# Altium PCB Power_PCB_v1.0.PcbDoc
Units mm, origin at the board's own origin, x right, y up, seen from the top; angles counter-clockwise.
Board outline 175 x 86 mm, 4 copper layers (Top Layer, MidLayer1, MidLayer2, Bottom Layer), stack 1.71 mm thick; 110 components, 74 nets, 328 pads, 74 vias.
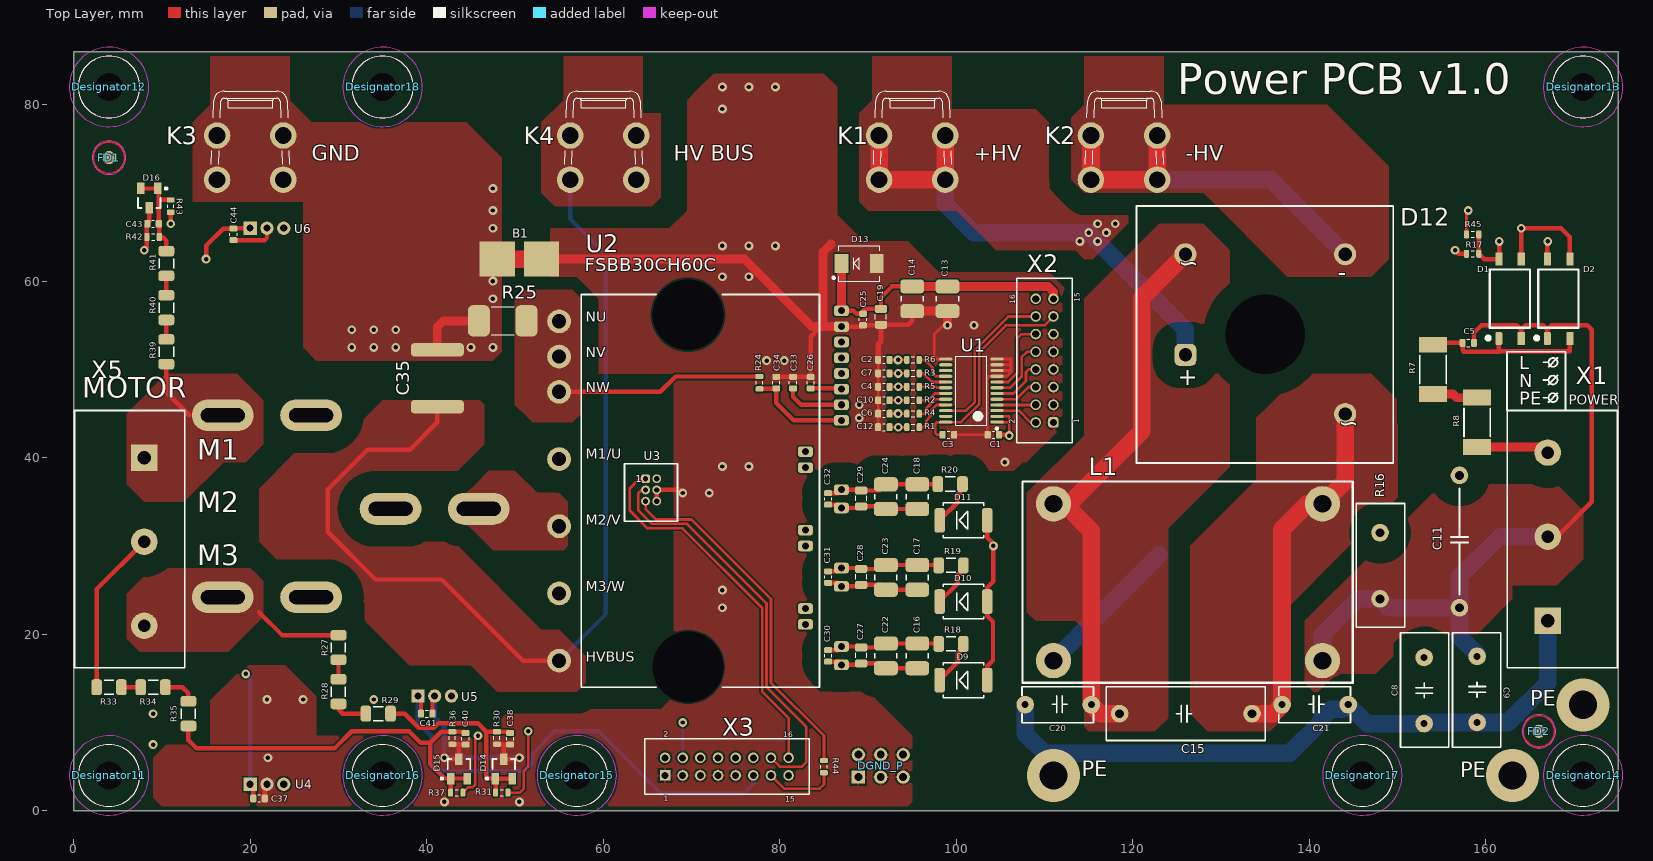
[diagram p0: Top Layer view]
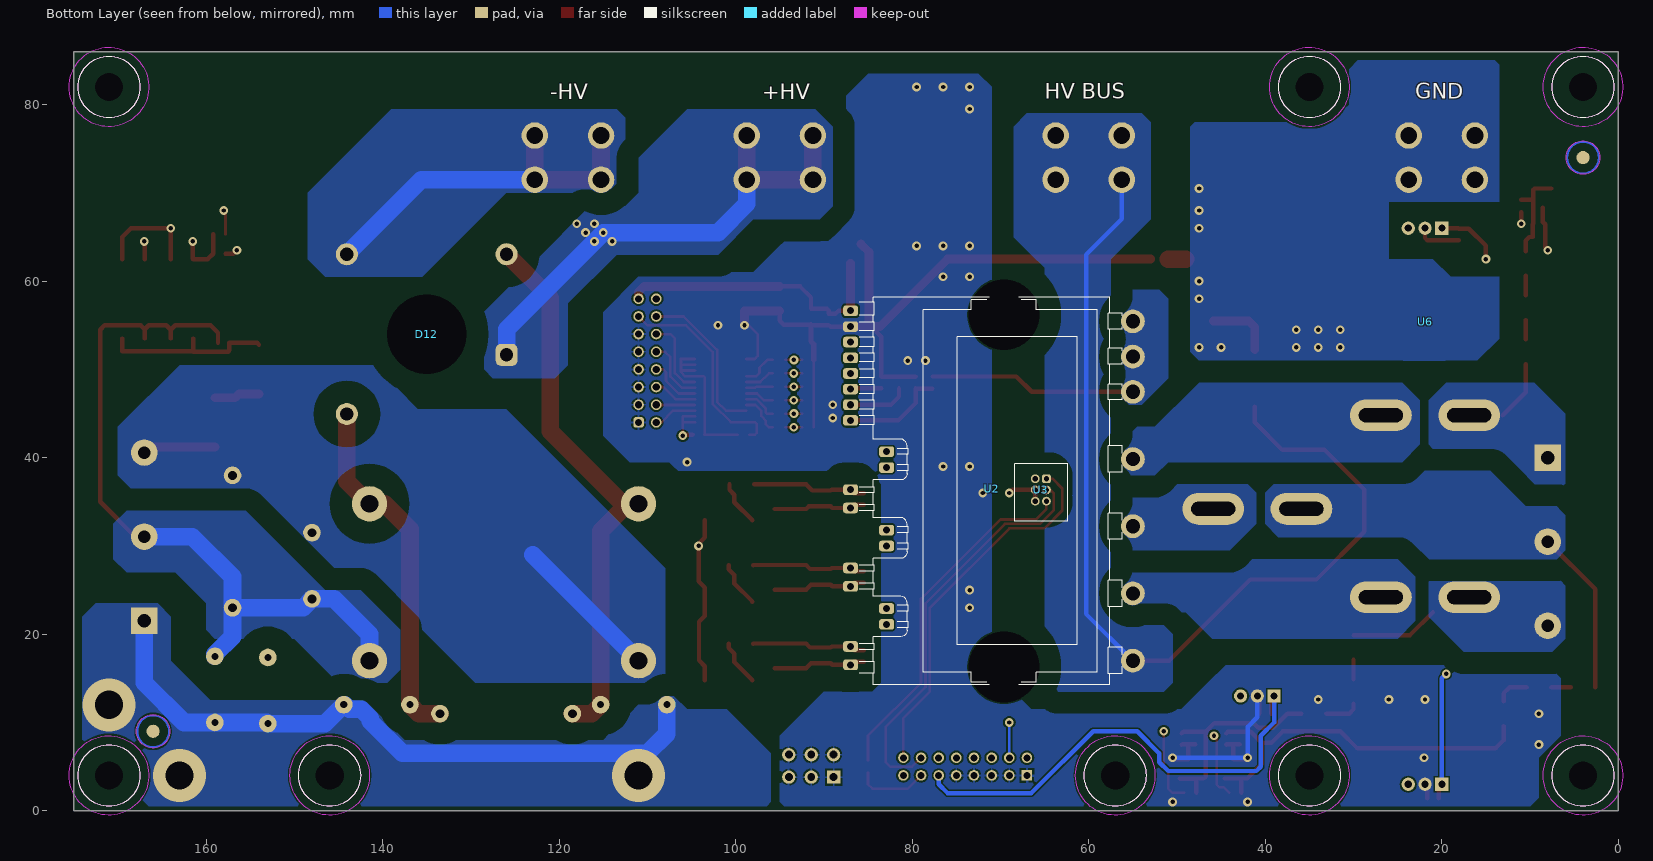
[diagram p1: Bottom Layer view, seen from below]
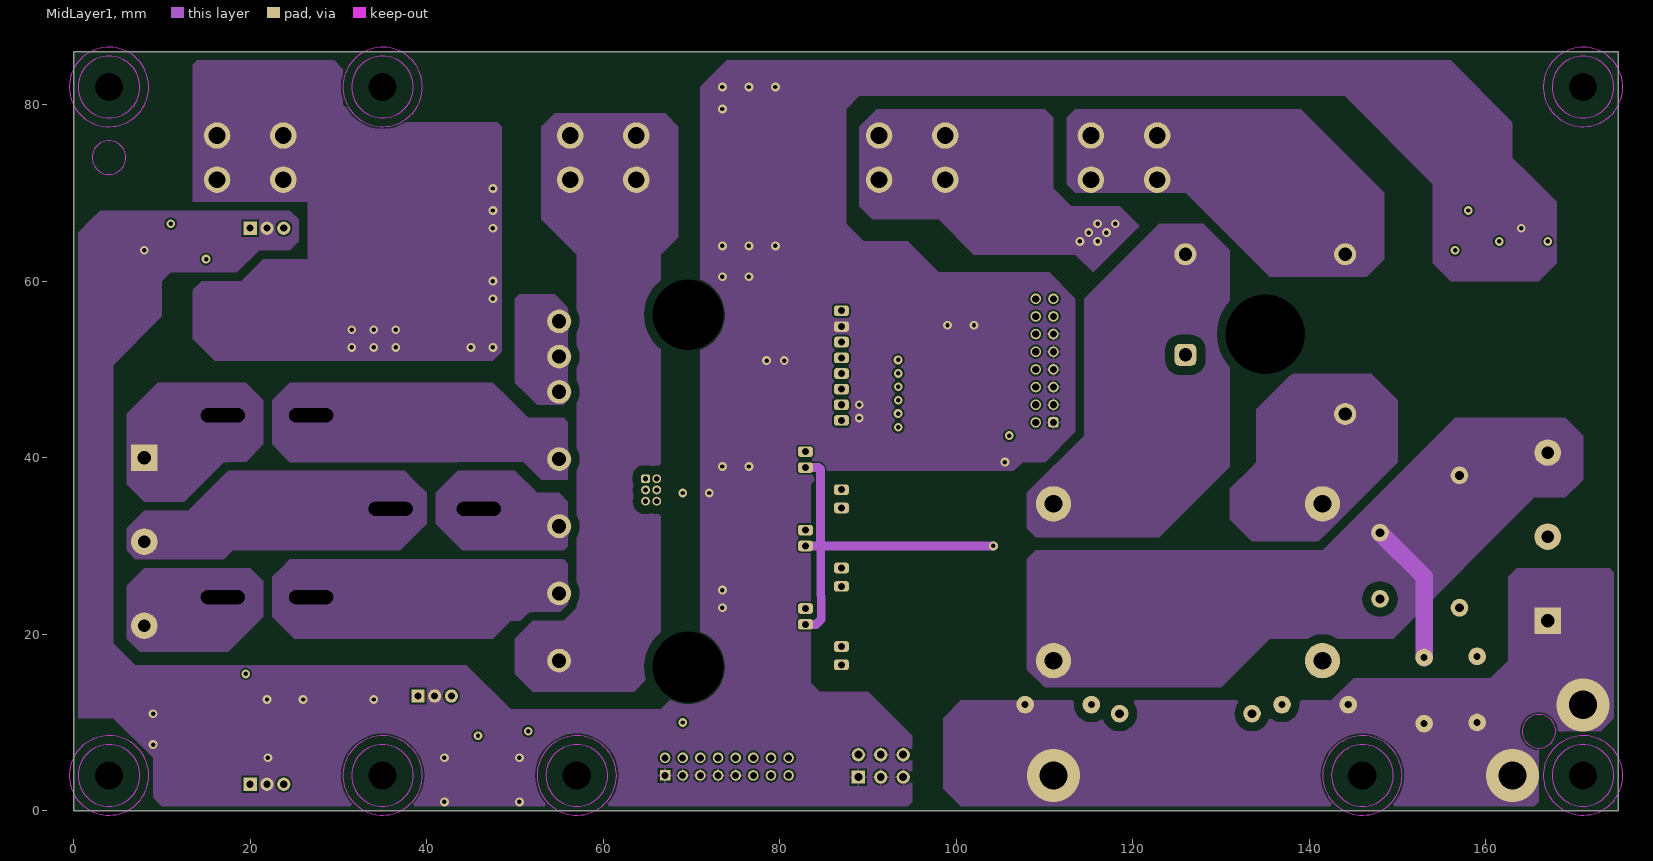
[diagram p2: MidLayer1]
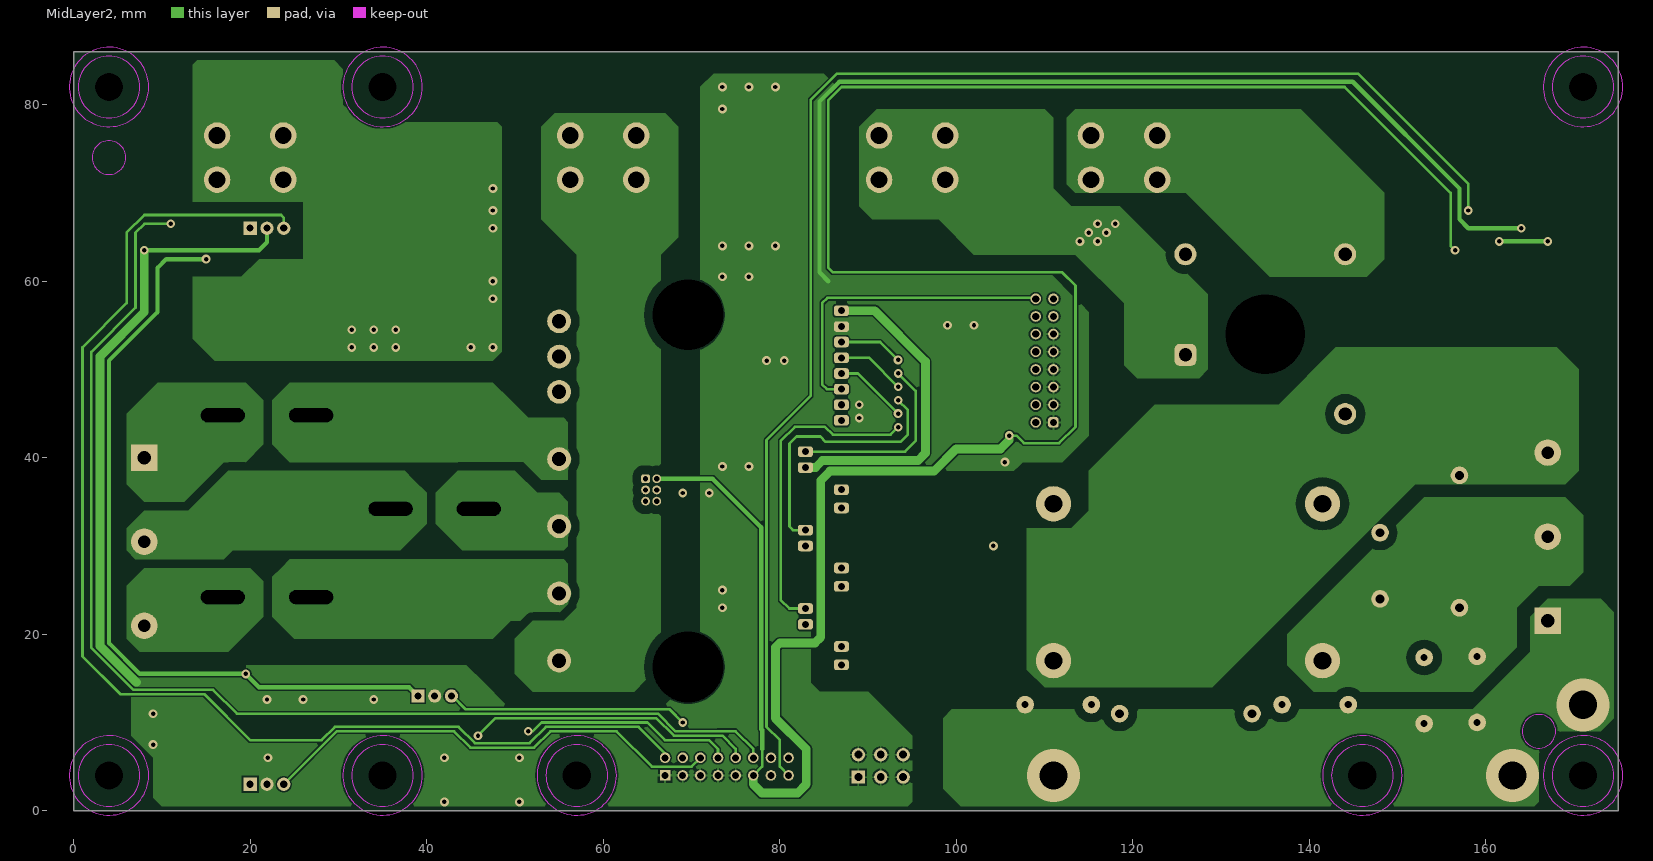
[diagram p3: MidLayer2]
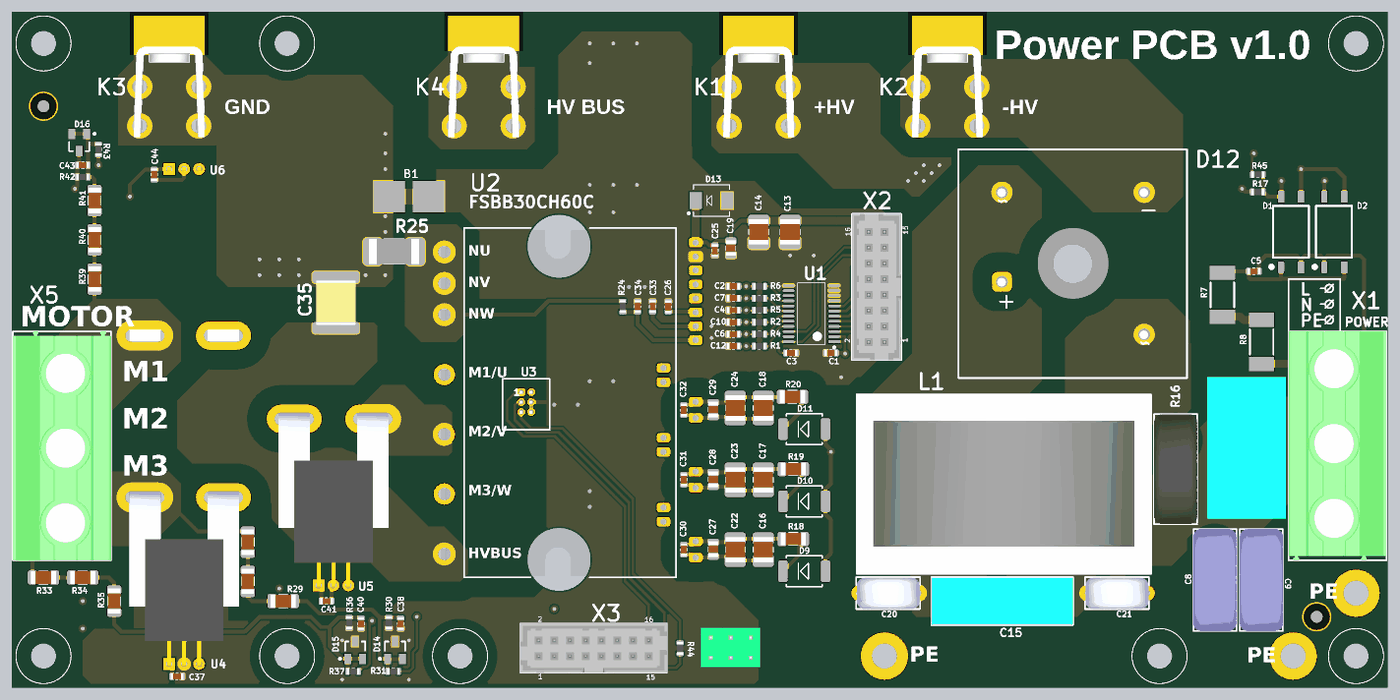
[diagram p4: 3D render of the assembled board from above, using the file's embedded part models]
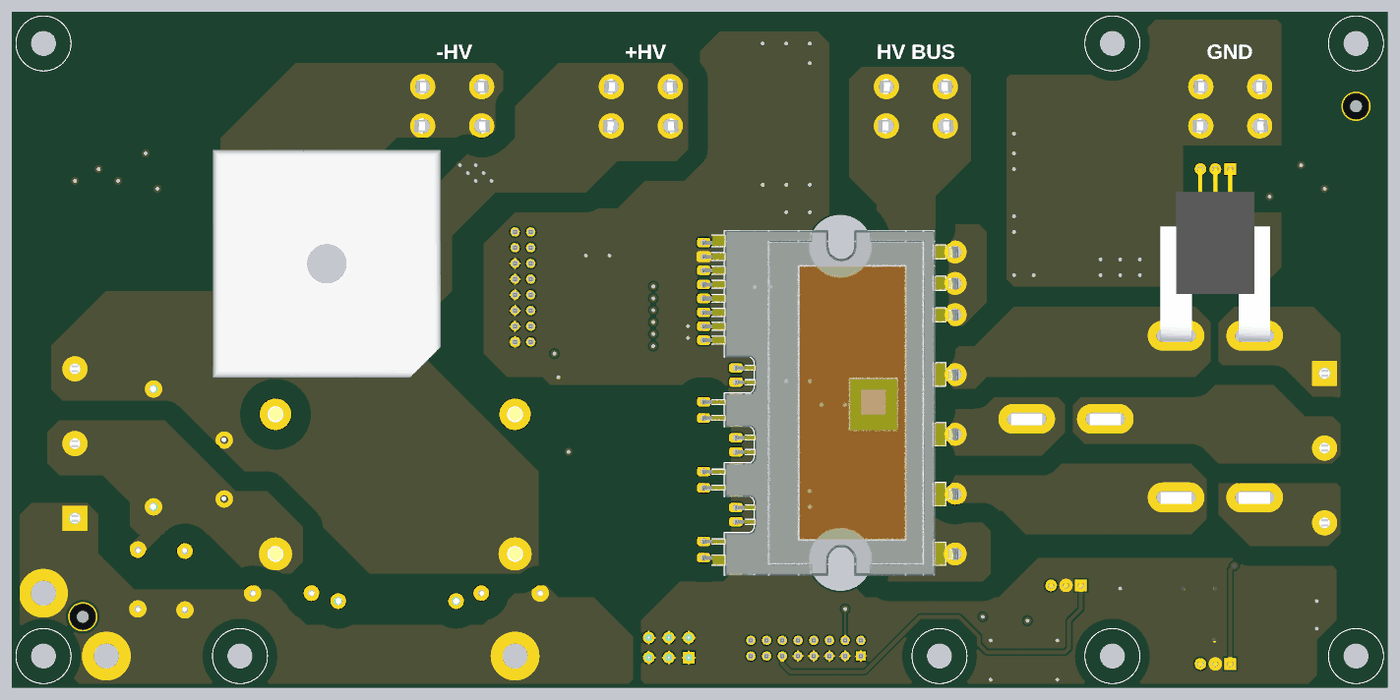
[diagram p5: 3D render of the assembled board from below, using the file's embedded part models]

## Layer stack, top to bottom
Top Solder: solder mask 0.0102, Solder Resist, Dk 3.5
Top Layer: signal copper 0.07
Dielectric1: prepreg 0.36, FR-4, Dk 4.8
MidLayer1: signal copper 0.07
Dielectric2: core 0.71, FR-4, Dk 4.8
MidLayer2: signal copper 0.07
Dielectric3: prepreg 0.36, FR-4, Dk 4.8
Bottom Layer: signal copper 0.07
Bottom Solder: solder mask 0.0102, Solder Resist, Dk 3.5

## Board outline
0,0 0,86 175,86 175,0

## Design rules (kind name [scope] priority, off if disabled: settings)
Clearance "Bot DGND" [InNamedPolygon('Bot DGND') vs not (InNetClass('HV_W') or InNetClass('HV_V') or InNetClass('HV_U') or InNetClass('HV_B') or InNetClass('HV_L') or InNetClass('HV_N')  )] p1: gap=0.5 ignorepadtopadclearanceinfootprint=FALSE except(0: Arc-Hole Track-Hole SMDPad-Hole THPad-Hole Via-Hole Fill-Hole Poly-Hole Region-Hole Text-Hole)
Clearance MV [InNetClass('MV')] p2: gap=1 ignorepadtopadclearanceinfootprint=FALSE except(0: Arc-Hole Track-Hole SMDPad-Hole THPad-Hole Via-Hole Fill-Hole Poly-Hole Region-Hole Text-Hole)
Clearance HV_W [InNetClass('HV_W') vs InNetClass('HV_W')] p3: gap=0.2 ignorepadtopadclearanceinfootprint=FALSE except(0: Arc-Hole Track-Hole SMDPad-Hole THPad-Hole Via-Hole Fill-Hole Poly-Hole Region-Hole Text-Hole)
Clearance HV_V [InNetClass('HV_V') vs InNetClass('HV_V')] p4: gap=0.2 ignorepadtopadclearanceinfootprint=FALSE except(0: Arc-Hole Track-Hole SMDPad-Hole THPad-Hole Via-Hole Fill-Hole Poly-Hole Region-Hole Text-Hole)
Clearance HV_U [InNetClass('HV_U') vs InNetClass('HV_U')] p5: gap=0.2 ignorepadtopadclearanceinfootprint=FALSE except(0: Arc-Hole Track-Hole SMDPad-Hole THPad-Hole Via-Hole Fill-Hole Poly-Hole Region-Hole Text-Hole)
Clearance HV_B [InNetClass('HV_B') vs InNetClass('HV_B')] p6: gap=0.2 ignorepadtopadclearanceinfootprint=FALSE except(0: Arc-Hole Track-Hole SMDPad-Hole THPad-Hole Via-Hole Fill-Hole Poly-Hole Region-Hole Text-Hole)
Clearance HV_L [InNetClass('HV_L') vs InNetClass('HV_L')] p7: gap=0.2 ignorepadtopadclearanceinfootprint=FALSE except(0: Arc-Hole Track-Hole SMDPad-Hole THPad-Hole Via-Hole Fill-Hole Poly-Hole Region-Hole Text-Hole)
Clearance HV_N [InNetClass('HV_N') vs InNetClass('HV_N')] p8: gap=0.2 ignorepadtopadclearanceinfootprint=FALSE except(0: Arc-Hole Track-Hole SMDPad-Hole THPad-Hole Via-Hole Fill-Hole Poly-Hole Region-Hole Text-Hole)
Clearance OnMid_HV [OnMid vs InNetClass('HV_W') or InNetClass('HV_V') or InNetClass('HV_U') or InNetClass('HV_B') or InNetClass('HV_L') or InNetClass('HV_N')] p9: gap=1 ignorepadtopadclearanceinfootprint=FALSE except(0: Arc-Hole Track-Hole SMDPad-Hole THPad-Hole Via-Hole Fill-Hole Poly-Hole Region-Hole Text-Hole)
Clearance HV_OnMid [(InNetClass('HV_W') or InNetClass('HV_V') or InNetClass('HV_U') or InNetClass('HV_B') or InNetClass('HV_L') or InNetClass('HV_N')) and OnMid] p10: gap=1 ignorepadtopadclearanceinfootprint=FALSE except(0: Arc-Hole Track-Hole SMDPad-Hole THPad-Hole Via-Hole Fill-Hole Poly-Hole Region-Hole Text-Hole)
Clearance HV [(InNetClass('HV_W') or InNetClass('HV_V') or InNetClass('HV_U') or InNetClass('HV_B') or InNetClass('HV_L') or InNetClass('HV_N') )] p11: gap=2.5 ignorepadtopadclearanceinfootprint=FALSE except(0: Arc-Hole Track-Hole SMDPad-Hole THPad-Hole Via-Hole Fill-Hole Poly-Hole Region-Hole Text-Hole)
Clearance [All] p12: gap=0.2 ignorepadtopadclearanceinfootprint=FALSE except(0: Arc-Hole Track-Hole SMDPad-Hole THPad-Hole Via-Hole Fill-Hole Poly-Hole Region-Hole Text-Hole)
ComponentClearance [All] p1: gap=0 collisioncheckmode=3 verticalgap=0 showdistances=FALSE
Height [All] p1: minheight=0 maxheight=100 prefheight=12.7
HoleSize [All] p1: absolutevalues=TRUE maxlimit=10 minlimit=0.2 maxpercent=80.000 minpercent=20.000
HoleToHoleClearance [All] p1: gap=0.2 allowstackedmicrovias=TRUE
MinimumSolderMaskSliver [All] p1: minsoldermaskwidth=0
PolygonConnect PolygonConnect_1 [(InComponent('X2') OR InComponent('X3') OR InComponent('DGND_P'))] p1: connectstyle=Relief reliefconductorwidth=0.254 reliefentries=4 polygonreliefangle="90 Angle" airgapwidth=0.2
PolygonConnect [All] p2: connectstyle=Direct reliefconductorwidth=0.254 reliefentries=4 polygonreliefangle="90 Angle" airgapwidth=0.254
RoutingVias [All] p1: holewidth=0.5 width=0.9 viastyle="Through Hole" minholewidth=0.3 minwidth=0.6 maxholewidth=3 maxwidth=4
SilkToSilkClearance [All] p1: silktosilkclearance=0
SilkToSolderMaskClearance [IsPad] p1: minsilkscreentomaskgap=0 clearancetoexposedcopper=TRUE
SolderMaskExpansion [All] p1: expansion=0.102 istentingtop=FALSE
Width [All] p1: maxlimit=10 minlimit=0.2 preferedwidth=0.3
23 further rules are at their usual default settings.

## Classes and differential pairs
net class HV_B: HVBUS NetD12_1
net class HV_L: WL1 WL3
net class HV_N: NetC5_1 WN1 WN2
net class HV_U: M1 NetC18_1 NetC18_2 NetD11_1 OUT_U
net class HV_V: M2 NetC17_1 NetC17_2 NetD10_1 OUT_V
net class HV_W: M3 NetC16_1 NetC16_2 NetD9_1 OUT_W
net class MV: NetR27_2 NetR33_2 NetR39_2

## Components (designator, comment, footprint, x,y, rotation, side; value= is the part's Value field where it differs from the comment)
B1 "Net tie 2 mm" "Net tie 2 mm" 48,62.5 r0 top net-tie
C1 "CL10B104KA8NNND" 1608[0603] 104.2,42.6 r180 top
C2 "CL10B102KB8NNNC" 1608[0603] 91.79,51.078 r180 top
C3 "CL10B104KA8NNND" 1608[0603] 99.1,42.6 r0 top
C4 "CL10B102KB8NNNC" 1608[0603] 91.79,48.03 r180 top
C5 "CL10B102KB8NNNC" 1608[0603] 158,53 r0 top
C6 "CL10B102KB8NNNC" 1608[0603] 91.79,44.982 r180 top
C7 "CL10B102KB8NNNC" 1608[0603] 91.79,49.554 r180 top
C8 "DE2E3KH472MA3B" DE2E3KH472M 153,17.366 r270 top
C9 "DE2E3KH472MA3B" DE2E3KH472M 159,10 r90 top
C10 "CL10B102KB8NNNC" 1608[0603] 91.79,46.506 r180 top
C11 "JFV-330N/275-P15" JFV-330N/275-P15 157,38 r270 top
C12 "CL10B102KB8NNNC" 1608[0603] 91.79,43.458 r180 top
C13 "UMK325BJ106KM-T" 3225[1210] 99,58 r270 top
C14 "UMK325BJ106KM-T" 3225[1210] 95,58 r270 top
C15 "JFV-220N/275-P15" JFV-220N/275-P15 118.5,11 r0 top
C16 "UMK325BJ106KM-T" 3225[1210] 95.576,17.55 r270 top
C17 "UMK325BJ106KM-T" 3225[1210] 95.576,26.44 r270 top
C18 "UMK325BJ106KM-T" 3225[1210] 95.576,35.584 r270 top
C19 "C0805C224K5RACTU" 2012[0805] 91.464,55.904 r270 top
C20 "CY2V-1N5" CY2V-1N5 115.3,12.016 r180 top
C21 "CY2V-1N5" CY2V-1N5 144.4,12.016 r180 top
C22 "UMK325BJ106KM-T" 3225[1210] 92.02,17.55 r270 top
C23 "UMK325BJ106KM-T" 3225[1210] 92.02,26.44 r270 top
C24 "UMK325BJ106KM-T" 3225[1210] 92.02,35.584 r270 top
C25 "CL10B102KB8NNNC" 1608[0603] 89.432,55.65 r270 top
C26 "CL10B103JB8NNNC" 1608[0603] 83.5,48.5 r270 top
C27 "C0805C224K5RACTU" 2012[0805] 89.218,17.55 r270 top
C28 "C0805C224K5RACTU" 2012[0805] 89.218,26.44 r270 top
C29 "C0805C224K5RACTU" 2012[0805] 89.218,35.33 r270 top
C30 "CL10B102KB8NNNC" 1608[0603] 85.471,17.551 r270 top
C31 "CL10B102KB8NNNC" 1608[0603] 85.471,26.467 r270 top
C32 "CL10B102KB8NNNC" 1608[0603] 85.471,35.331 r270 top
C33 "CL10B102KB8NNNC" 1608[0603] 81.5,48.5 r90 top
C34 "CL10B332KB8NNNC" 1608[0603] 79.6,48.5 r90 top
C35 "GRM55DR72J224KW01L" 2220 41.2,49 r90 top
C37 "CL10B104KA8NNND" 1608[0603] 21,1.4 r0 top
C38 "CL10B102KB8NNNC" 1608[0603] 49.45,8.15 r270 top
C40 "CL10B102KB8NNNC" 1608[0603] 44.4,8.15 r270 top
C41 "CL10B104KA8NNND" 1608[0603] 40,11 r0 top
C43 "CL10B102KB8NNNC" 1608[0603] 9,66.5 r180 top
C44 "CL10B104KA8NNND" 1608[0603] 18.1,65.3 r270 top
D1 "EL817S1DTA" "Optoc EL816" 164,53.5 r90 top
D2 "EL817S1DTA" "Optoc EL816" 169.5,53.5 r90 top
D9 "ES1J-TP" DO-214AA_SMBJ 100.8,14.8 r0 top
D10 "ES1J-TP" DO-214AA_SMBJ 100.8,23.7 r0 top
D11 "ES1J-TP" DO-214AA_SMBJ 100.8,32.9 r0 top
D12 "GBPC5010W-G" GBPC5010W 135,54 r0 bottom
D13 "SMBJ15A" "SMB ST" 89,62 r180 top
D14 "ESDA6V1L" SOT23 47.78,3.65 r0 top
D15 "ESDA6V1L" SOT23 42.7,3.65 r0 top
D16 "ESDA6V1L" SOT23 9.5,70.5 r180 top
Designator11 "Comment" HOLE_3MM 4,4 r0 top locked
Designator12 "Comment" HOLE_3MM 4,82 r0 top locked
Designator13 "Comment" HOLE_3MM 171,82 r0 top locked
Designator14 "Comment" HOLE_3MM 171,4 r0 top locked
Designator15 "Comment" HOLE_3MM 57,4 r0 top locked
Designator16 "Comment" HOLE_3MM 35,4 r0 top locked
Designator17 "Comment" HOLE_3MM 146,4 r0 top locked
Designator18 "Comment" HOLE_3MM 35,82 r0 top locked
DGND_P "Comment" HDR2X3 88.9,3.81 r0 top
FD1 "Comment" "FIDUCIAL ROUND" 4,74 r0 top
FD2 "Comment" "FIDUCIAL ROUND" 166,9 r0 top
K1 "KEYS7692" KEYS7692 95,74 r180 top locked net-tie
K2 "KEYS7692" KEYS7692 119,74 r180 top locked net-tie
K3 "KEYS7692" KEYS7692 20,74 r180 top locked net-tie
K4 "KEYS7692" KEYS7692 60,74 r180 top locked net-tie
L1 "CMT-8120" CMT-8120 111,17 r0 top
R1 "ERJ-3EKF1000V" 0603 95.092,43.458 r0 top
R2 "ERJ-3EKF1000V" 0603 95.092,46.506 r0 top
R3 "ERJ-3EKF1000V" 0603 95.092,49.554 r0 top
R4 "ERJ-3EKF1000V" 0603 95.092,44.982 r0 top
R5 "ERJ-3EKF1000V" 0603 95.092,48.03 r0 top
R6 "ERJ-3EKF1000V" 0603 95.092,51.078 r0 top
R7 "25121WF0474T4E" CR6332-2512 154,50 r90 top
R8 "25121WF0474T4E" CR6332-2512 159,44 r90 top
R16 "ERZV14D471" ERZ-V14D471 148,24 r90 top
R17 "RJ0603FRE074K7L" 0603 158.5,63.1 r180 top
R18 "CRCW120615R0FKEA" 3216[1206] 99.4,18.9 r180 top
R19 "CRCW120615R0FKEA" 3216[1206] 99.4,27.8 r180 top
R20 "CRCW120615R0FKEA" 3216[1206] 99.3,37 r180 top
R24 "RC0603FR-071KL" 0603 77.7,48.5 r90 top
R25 "MCS3264R010FER" MCS3264 45.9,55.5 r0 top
R27 "ERJ-8ENF1003V" 3216[1206] 30,18.5 r270 top
R28 "ERJ-8ENF1003V" 3216[1206] 30,13.5 r270 top
R29 "ERJ-8ENF1003V" 3216[1206] 34.5,11 r0 top
R30 "RC0603FR-072K2L" 0603 47.95,8.245 r270 top
R31 "ERJ-3EKF1000V" 0603 48.5,2.05 r0 top
R33 "ERJ-8ENF1003V" 3216[1206] 4,14 r0 top
R34 "ERJ-8ENF1003V" 3216[1206] 9,14 r0 top
R35 "ERJ-8ENF1003V" 3216[1206] 13,11 r270 top
R36 "RC0603FR-072K2L" 0603 42.9,8.245 r270 top
R37 "ERJ-3EKF1000V" 0603 43.4,2.05 r0 top
R39 "ERJ-8ENF1003V" 3216[1206] 10.5,52 r90 top
R40 "ERJ-8ENF1003V" 3216[1206] 10.5,57 r90 top
R41 "ERJ-8ENF1003V" 3216[1206] 10.5,62 r90 top
R42 "RC0603FR-072K2L" 0603 9,65 r180 top
R43 "ERJ-3EKF1000V" 0603 11,68.5 r270 top
R44 "RC0603FR-07330RL" 0603 85,5 r270 top
R45 "RC0603FR-07330RL" 0603 158.5,65.3 r0 top
U1 "74LVXC3245MTCX" "TSSOP24 , JEDEC MO-153, Fairchild" 101.7,47.6 r180 top
U2 "FSBB30CH60C" FSSB30CH60C 55,17 r90 bottom locked
U3 "Module_MAX31725MTA" "TempSensor on MAX31725" 64.794,37.616 r90 bottom
U4 "ACS759LCB-050B-PFF-T" ACS756 20,3 r0 top
U5 "ACS759LCB-050B-PFF-T" ACS756 39,13 r0 top
U6 "ACS759LCB-050B-PFF-T" ACS756 20,66 r0 bottom
X1 "MKDS 5/ 3-9,5" "MKDS 5/ 3-9,5" 167,21.534 r90 top
X2 "0878311620" "8x2, 2.00mm Pitch Milli-Grid™ Header, Molex"#1 111,44 r90 top
X3 "0878311620" "8x2, 2.00mm Pitch Milli-Grid™ Header, Molex"#2 67,4 r0 top
X5 "MKDS 5/ 3-9,5" "MKDS 5/ 3-9,5" 8,40 r270 top

## Footprints (in the part's own frame and the unit in brackets; to place one, negate y for a bottom-side part, rotate by r counter-clockwise, add the part's x,y. Pads: shape width x height; smd on the part's side, far side on the other; paste and mask are expansions set on the pad)
"8x2, 2.00mm Pitch Milli-Grid™ Header, Molex"#1 [mm]
  rrect50% 1.2x1.2 hole 0.8: 1(0,0)
  round 1.2 hole 0.8: 2(0,2) 3(2,0) 4(2,2) 5(4,0) 6(4,2) 7(6,0) 8(6,2) 9(8,0) 10(8,2) 11(10,0) 12(10,2) 13(12,0) 14(12,2) 15(14,0) 16(14,2)
  silkscreen extent -2.32,-2.15 16.32,4.15, body extent -2.33,-2.15 16.32,4.15, height 6.42
"8x2, 2.00mm Pitch Milli-Grid™ Header, Molex"#2 [mm]
  rect 1.2x1.2 hole 0.8: 1(0,0)
  round 1.2 hole 0.8: 2(0,2) 3(2,0) 4(2,2) 5(4,0) 6(4,2) 7(6,0) 8(6,2) 9(8,0) 10(8,2) 11(10,0) 12(10,2) 13(12,0) 14(12,2) 15(14,0) 16(14,2)
  silkscreen extent -2.32,-2.15 16.32,4.15, body extent -2.33,-2.15 16.32,4.15, height 6.42
0603 [mm] "Chip Resistor; Body 1.6 x 0.8 mm (LxW typ)"
  rrect50% 0.6x0.9 smd mask+0.06: 1(-0.7,0) 2(0.7,0)
  silkscreen extent -0.18,-0.35 0.18,0.35, body extent -0.79,-0.4 0.81,0.4, height 0.45
1608[0603] [mm] "Chip Capacitor; Body 1.6 x 0.8 mm (LxW typ)"
  rrect50% 0.7x0.9 smd mask+0.05: 1(-0.65,0) 2(0.65,0)
  silkscreen extent -0.15,-0.41 0.15,0.41, body extent -0.79,-0.41 0.81,0.39, height 0.8
2012[0805] [mm] "Chip Capacitor; Body 2.0 x 1.2 mm (LxW typ)"
  rrect50% 0.9x1.4 smd mask+0.07: 1(-0.95,0) 2(0.85,0)
  silkscreen extent -0.33,-0.64 0.23,0.61, body extent -1.05,-0.64 0.95,0.62, height 1.25
2220 [mm] "Chip Capacitor; Body 5.7 x 5 x 2 mm (LxWxH)"
  rrect50% 1.5x6 smd: 1(-3.225,0) 2(3.225,0)
  body extent -2.87,-2.51 2.85,2.51, height 2.01
3216[1206] [mm] "Chip Capacitor; Body 3.2 x 1.6 mm (LxW typ)"
  rrect50% 1.2x1.8 smd: 1(-1.4,0) 2(1.4,0)
  silkscreen extent -0.56,-0.81 0.56,0.79, body extent -1.6,-0.81 1.6,0.79, height 1.15
3225[1210] [mm] "Chip Capacitor; Body 3.2 x 2.5 mm (LxW typ)"
  rrect50% 1.6x2.7 smd: 1(-1.4,0) 2(1.4,0)
  silkscreen extent -0.3,-1.25 0.3,1.25, body extent -1.6,-1.25 1.6,1.25, height 1.15
ACS756 [mm] "ACS756"
  rect 1.5x1.5 hole 0.8: 1(0,0)
  round 1.5 hole 0.8: 2(1.9,0) 3(3.8,0)
  oval 7x3.6 / inner round 0 / far side oval 7x3.6 hole 1.6 slot 5 at 0 deg: 4(6.9,21.2) 5(-3.1,21.2)
  body extent -5.09,-0.26 8.9,21.89, height 7.75
CMT-8120 [mm]
  round 4 hole 2: 1(0,17.78) 2(0,0) 3(30.48,0) 4(30.48,17.78)
  silkscreen extent -3.5,-2.5 33.9,20.3, body extent -3.52,-2.5 33.92,20.36, height 40.49
CR6332-2512 [mm] "Chip Resistor; Body 6.3 x 3.2 mm (LxW typ)"
  rect 1.8x3.2 smd: 1(-2.8,0) 2(2.8,0)
  silkscreen extent -1.6,-1.5 1.6,1.5
CY2V-1N5 [mm]
  round 2 hole 0.8: 1(0,0) 2(7.5,0)
  silkscreen extent -0.25,-2.03 7.87,2.03, body extent -0.24,-1.97 7.86,2.03, height 9
DE2E3KH472M [mm]
  round 2 hole 0.8: 1(0,0) 2(7.5,0)
  silkscreen extent -2.79,-2.67 10.16,2.79, body extent -2.82,-2.71 10.18,2.79, height 16.5
DO-214AA_SMBJ [mm]
  rrect50% 1.2x2.794 smd: 1(-2.7,0) 2(2.7,0)
  silkscreen extent -2.28,-1.97 2.28,1.97, body extent -2.29,-2.03 2.29,2.03, height 2
ERZ-V14D471 [mm]
  round 2 hole 1: 1(0,0) 2(7.5,0)
  silkscreen extent -3.2,-2.8 10.8,2.7, body extent -3.2,-2.8 10.8,2.7, height 16
"FIDUCIAL ROUND" [mm] "FIDUCIAL ROUND"
  round 1.5 smd paste+0 mask+1.1: 0(0,0)
  round 1.5 smd far side paste+0 mask+1.1: 1(0,0)
  Top Layer circle w0.2: c0,0 r1.778
  Bottom Layer circle w0.2: c0,0 r1.778
  Keep-Out Layer circle w0.1: c0,0 r1.9
FSSB30CH60C [mm]
  rrect50% 1.2x1.7 hole 0.8: 1(39.65,31.983) 2(37.852,31.983) 3(36.108,31.983) 4(34.309,31.983) 5(32.538,31.983) 6(30.766,31.983) 7(28.995,31.983) 8(27.224,31.983) 9(23.681,27.896) 10(21.883,27.896) 11(19.375,31.983) 12(17.304,31.983) 13(14.797,27.896) 14(12.999,27.896) 15(10.5,31.983) 16(8.421,31.983) 17(5.913,27.896) 18(4.115,27.896) 19(1.608,31.983) 20(-0.463,31.983)
  round 2.7 hole 1.6: 21(38.451,0) 22(34.445,0) 23(30.467,0) 24(22.836,0) 25(15.233,0) 26(7.63,0) 27(0,0)
  round 6 hole 8 unplated: 28(-0.709,14.602) 29(39.187,14.602)
  silkscreen extent -2.73,1.2 41.2,30.98, body extent -2.74,-0.37 41.19,32.12, height 10.1
GBPC5010W [mm]
  round 7 hole 9 unplated: 0(0,0)
  rrect50% 2.5x2.5 hole 1.5: 1(-9.05,2.35)
  round 2.5 hole 1.5: 2(-9.05,-9.05) 3(9.05,-9.05) 4(9.05,9.05)
  body extent -14.55,-14.45 14.45,14.55, height 8.5
HDR2X3 [mm] "Connector; Header; 3x2 Position"
  rect 1.5x1.5 hole 0.9: 1(0,0)
  round 1.5 hole 0.9: 2(0,2.54) 3(2.54,0) 4(2.54,2.54) 5(5.08,0) 6(5.08,2.54)
  body extent -1.27,-1.27 6.35,3.81, height 9
HOLE_3MM [mm]
  round 3 hole 3.2 unplated: 0(0,0)
  Keep-Out Layer circle w0.1: c0,0 r3.5
  silkscreen extent -3.5,-3.5 3.5,3.5
JFV-220N/275-P15 [mm]
  round 2 hole 1: 1(0,0) 2(15,0)
  silkscreen extent -1.52,-3.05 16.51,3.05, body extent -1.52,-3 16.48,3, height 12
JFV-330N/275-P15 [mm]
  round 2 hole 1: 1(0,0) 2(15,0)
  silkscreen extent 6.41,-0.95 8.13,0.95, body extent -1.51,-4.95 16.49,5.05, height 15.8
KEYS7692 [mm]
  round 3 hole 1.9: 1(-3.75,-2.5) 1(-3.75,2.5) 1(3.75,-2.5) 1(3.75,2.5)
  silkscreen extent -4.44,-7.54 4.38,0.75, body extent -4.83,-7.55 4.82,3.95, height 7.92
MCS3264 [mm] "Metal Element Current Sense"
  rrect50% 2.5x3.57 smd: 1(0,0) 2(5.4,0)
  silkscreen extent 1.4,-1.6 4,1.6, body extent -0.48,-1.6 5.92,1.6, height 0.61
"MKDS 5/ 3-9,5" [mm]
  rect 3x3 hole 1.5: 1(0,0)
  round 3 hole 1.4: 2(9.52,0) 3(19.04,0)
  silkscreen extent -5.33,-7.9 23.8,4.6, body extent -5.33,-7.9 23.8,4.6, height 21.52
"Net tie 2 mm" [mm]
  rect 4x4 smd: 1(0,0) 2(5,0)
  Top Layer lines w2: 1,0 3,0
"Optoc EL816" [mm]
  rrect50% 1.5x0.8 smd: 1(0,2.54)
  rect 1.5x0.8 smd: 2(0,0) 3(9,0) 4(9,2.54)
  silkscreen extent -0.15,-0.99 7.82,3.95
"SMB ST" [mm] "Molded Diode, 2-Leads, Body 4.3x3.6mm, IPC Medium Density"
  rect 1.55x2.15 smd: 1(-2,0) 2(2,0)